# Altium PCB PCB.PcbDoc (part 1 of 10) (continued)
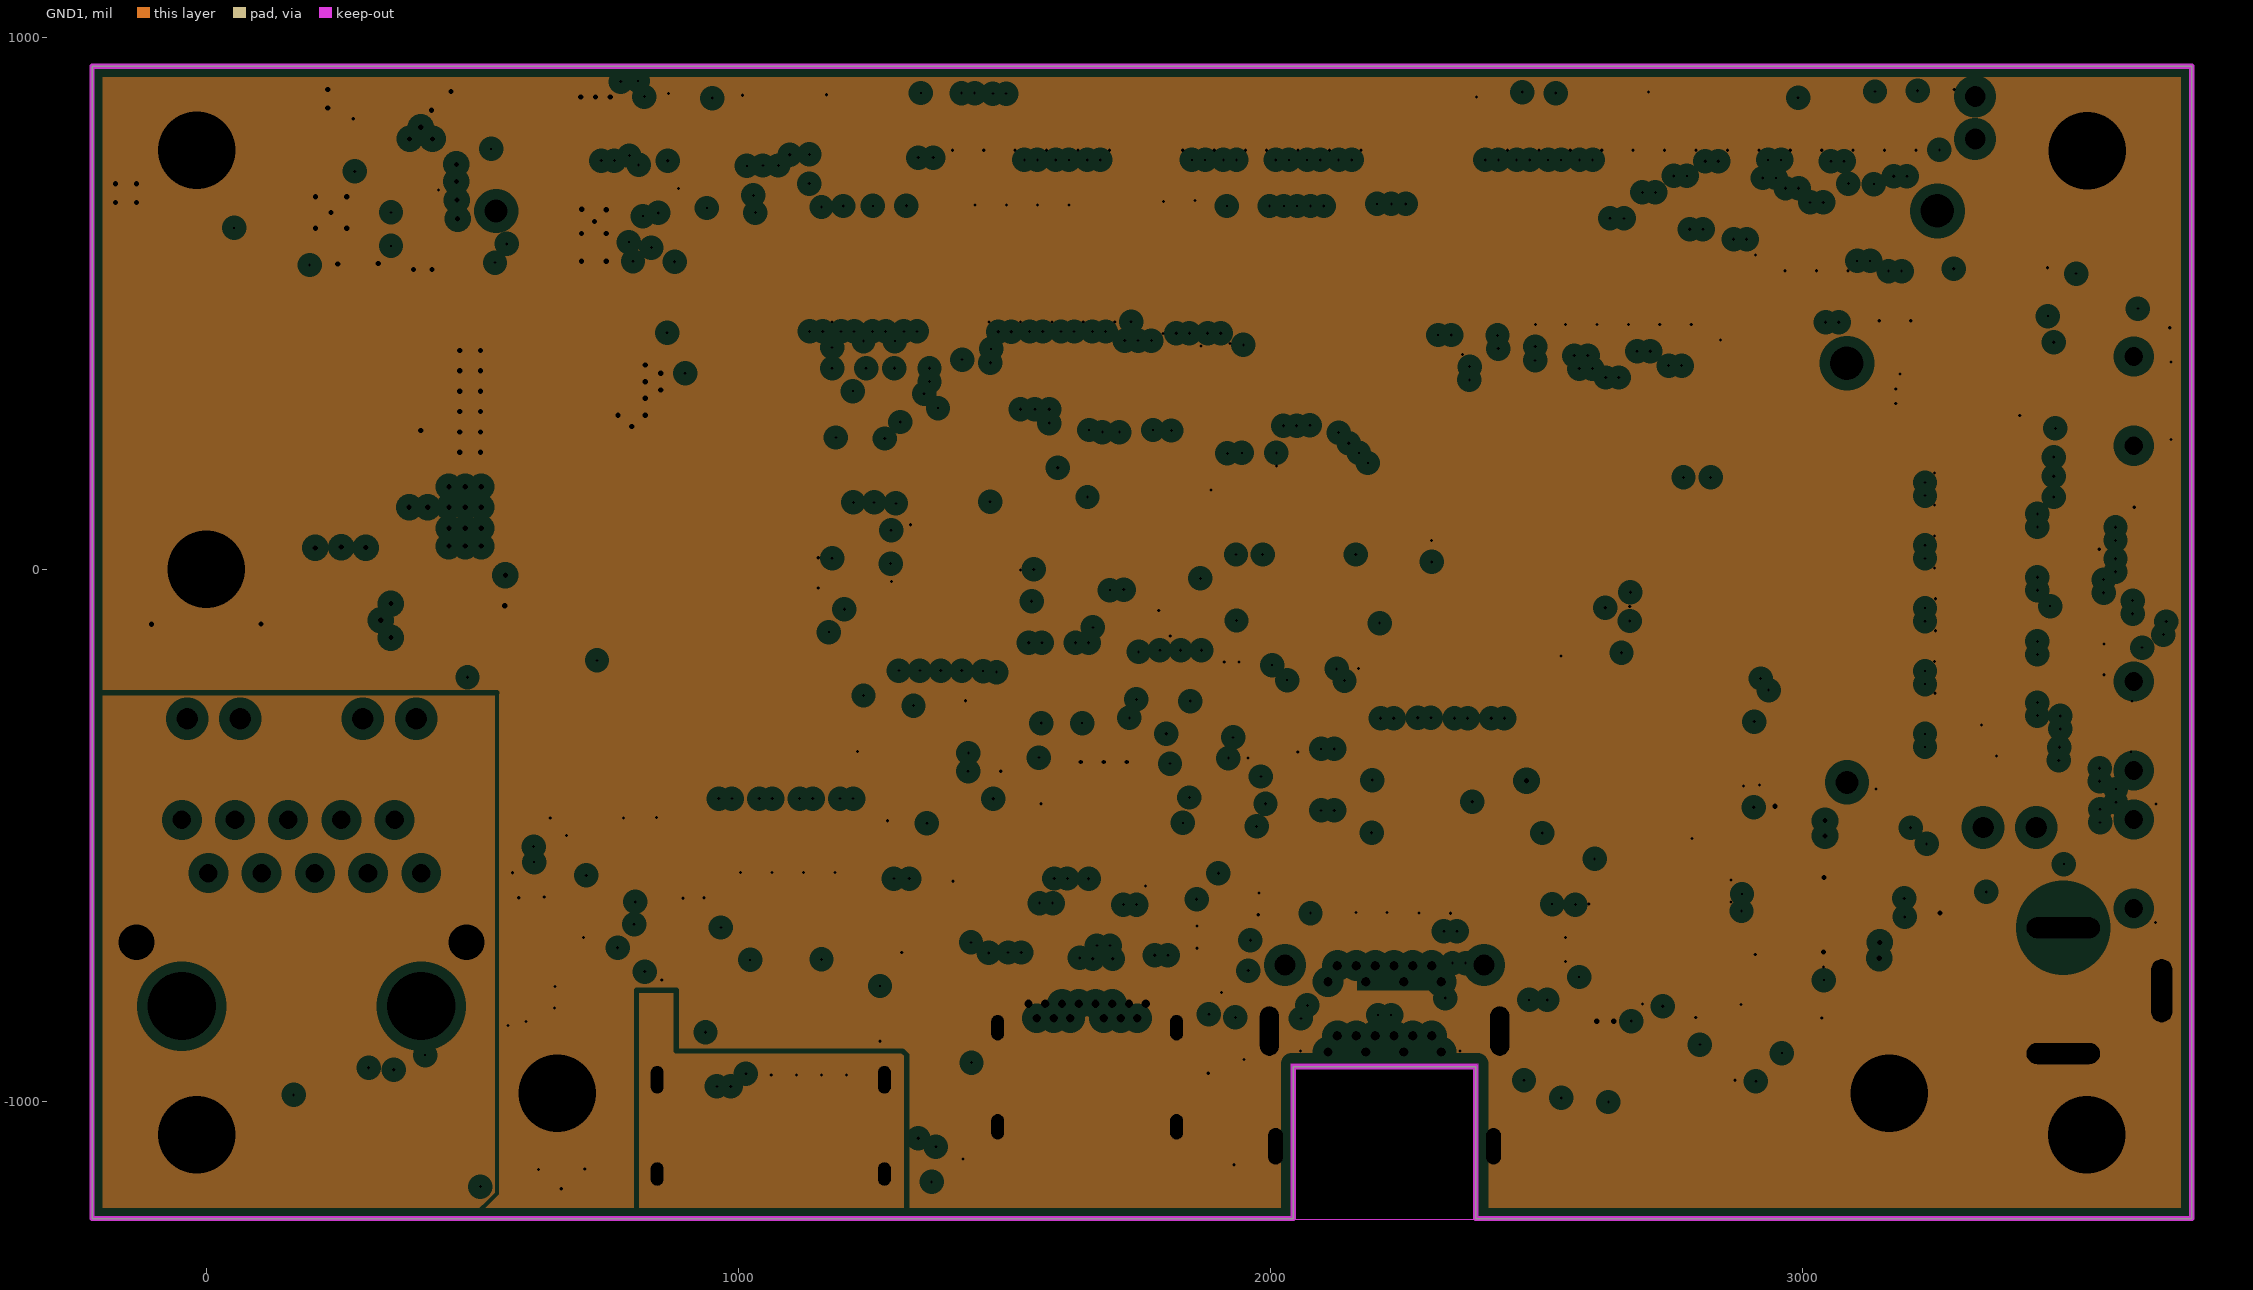
[diagram p5: GND1, clearances drawn from the general rule]
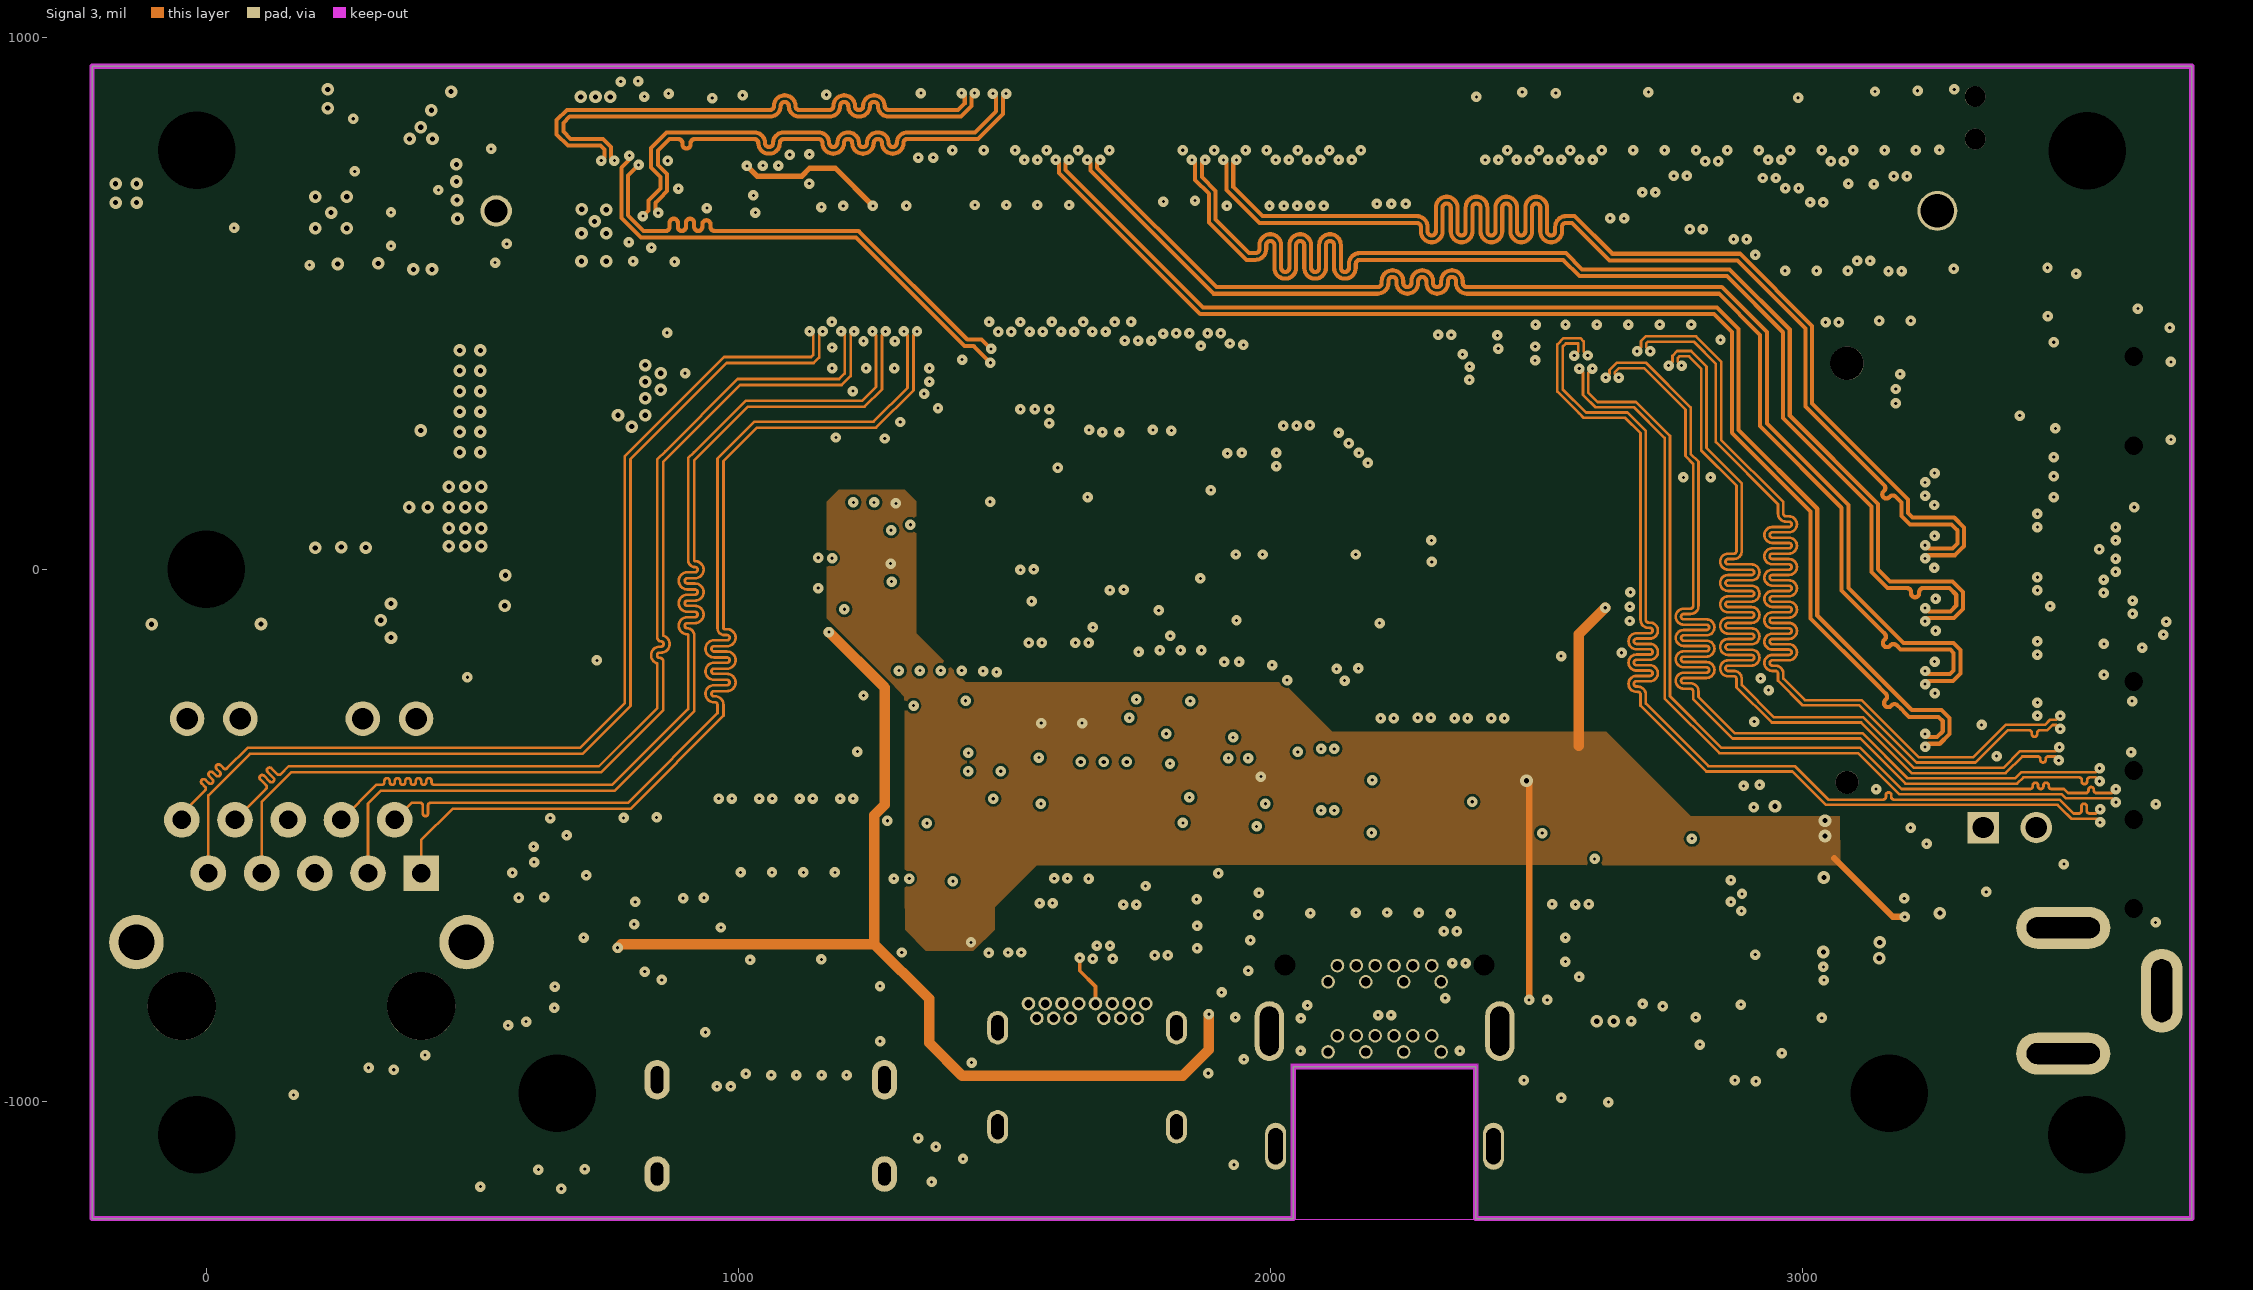
[diagram p6: Signal 3]
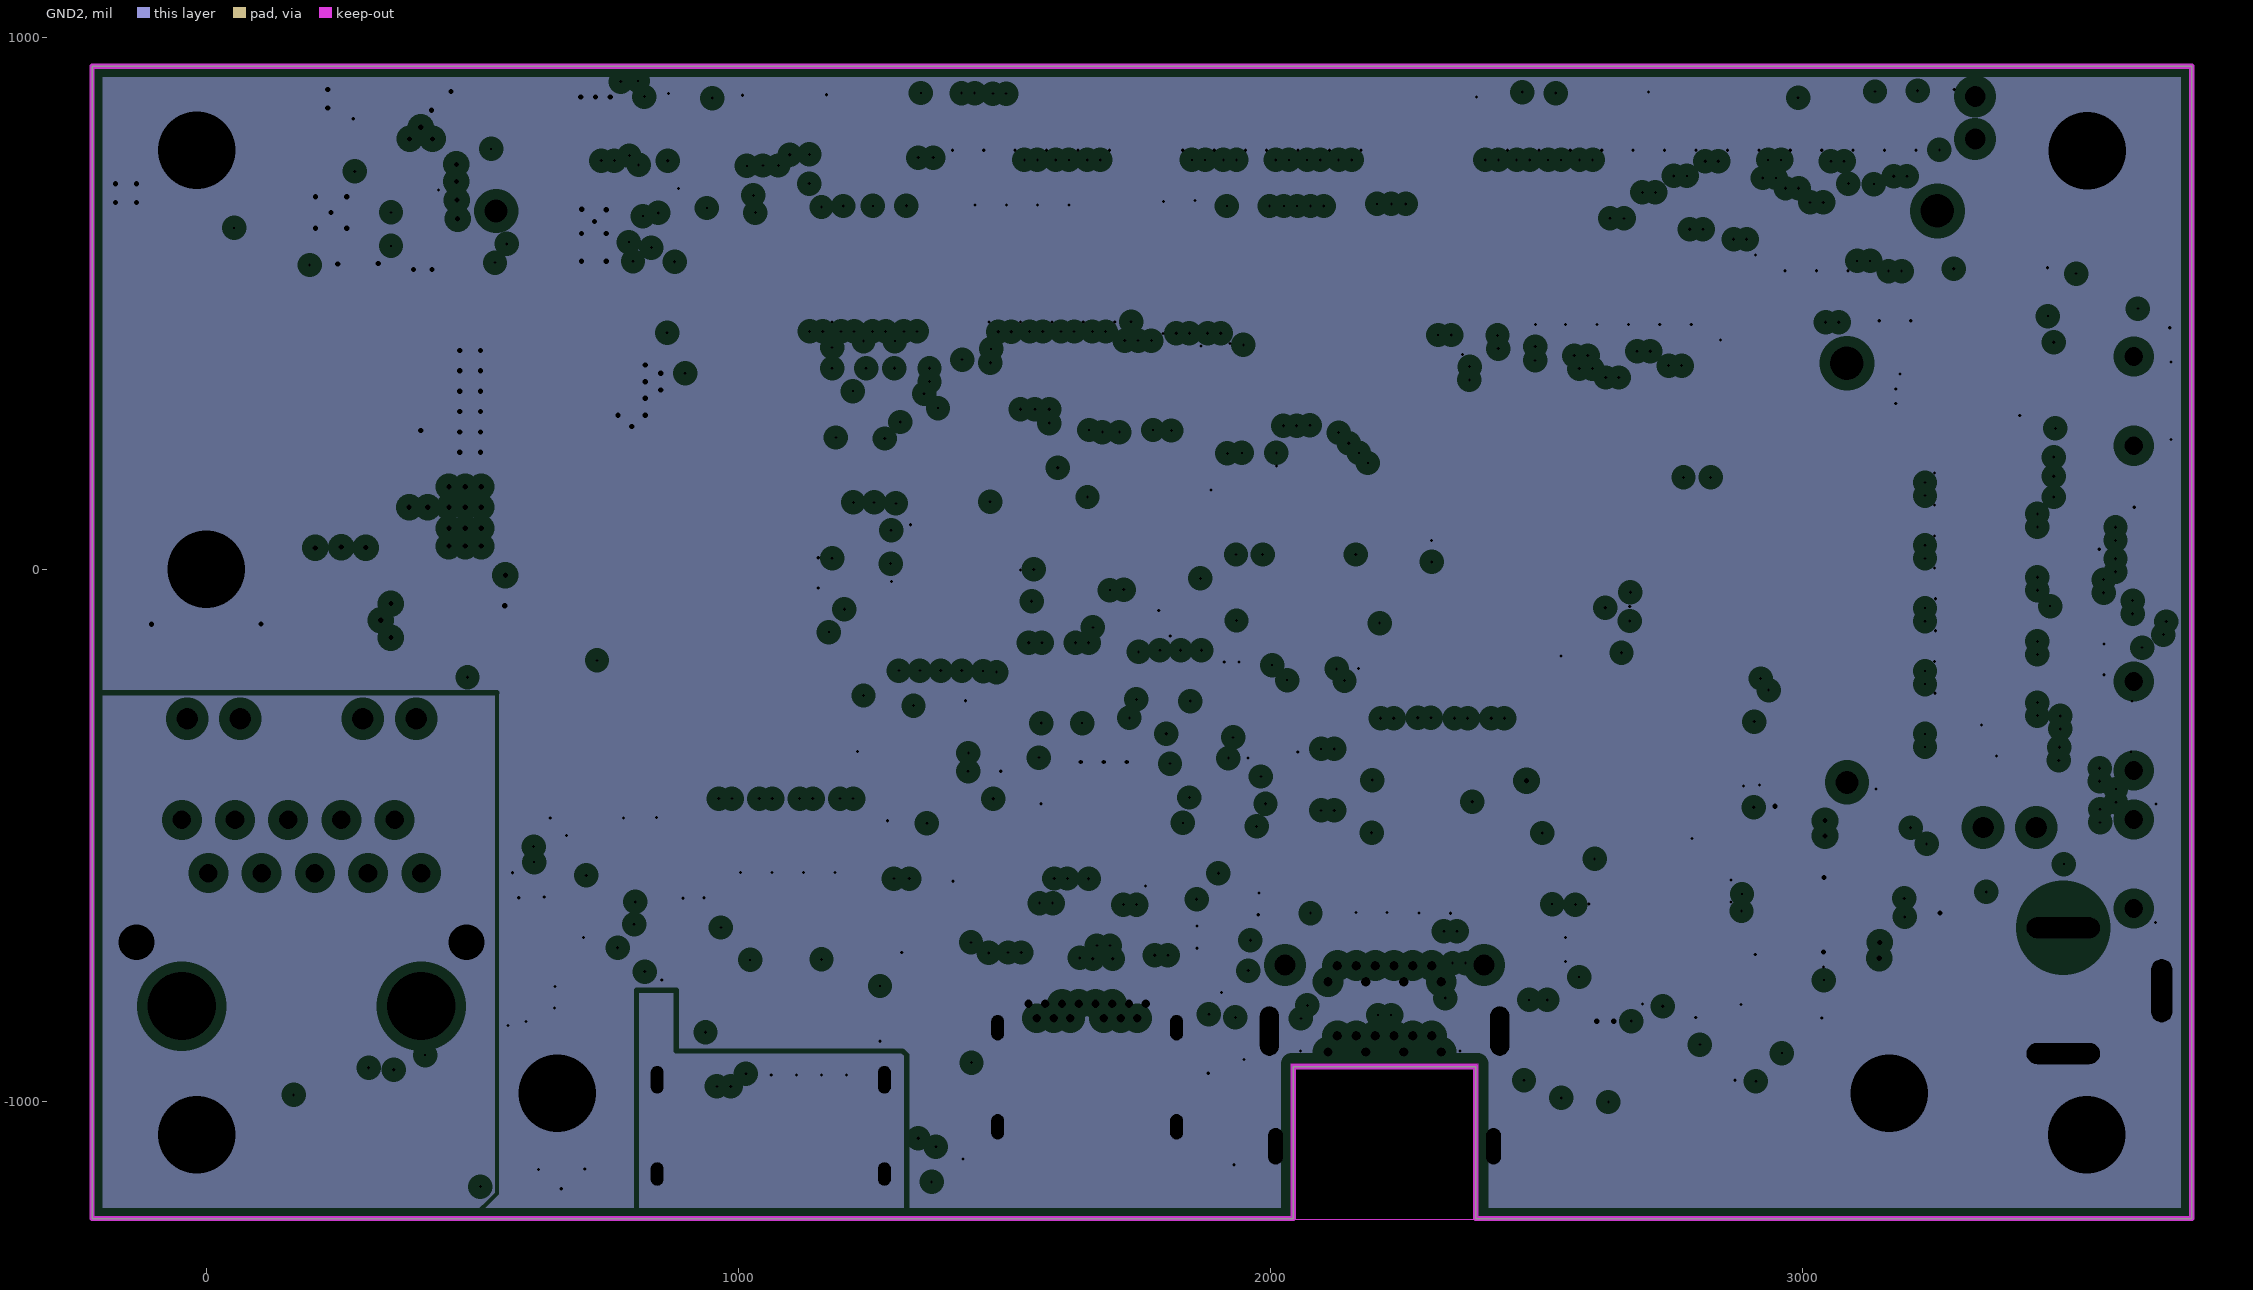
[diagram p7: GND2, clearances drawn from the general rule]
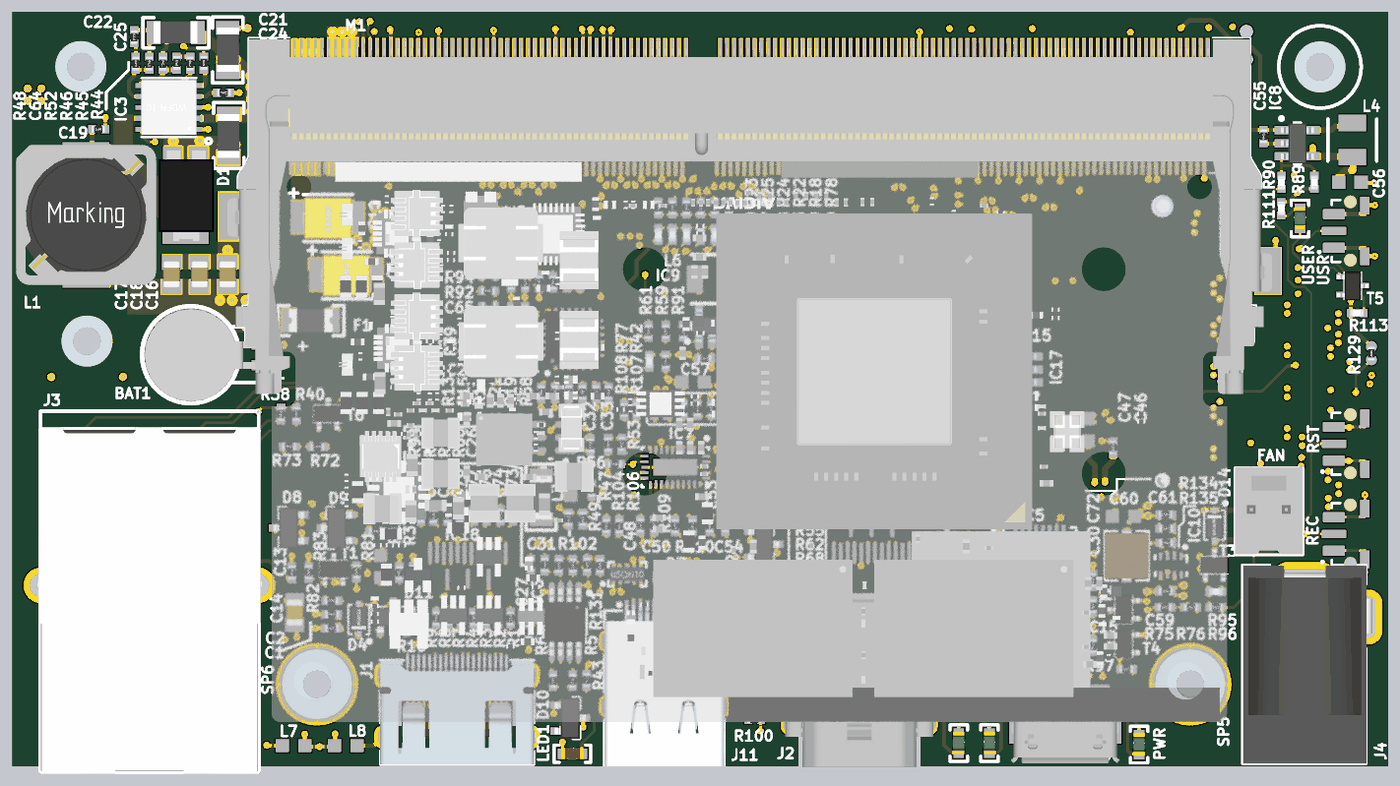
[diagram p17: 3D render of the assembled board from above, using the file's embedded part models]
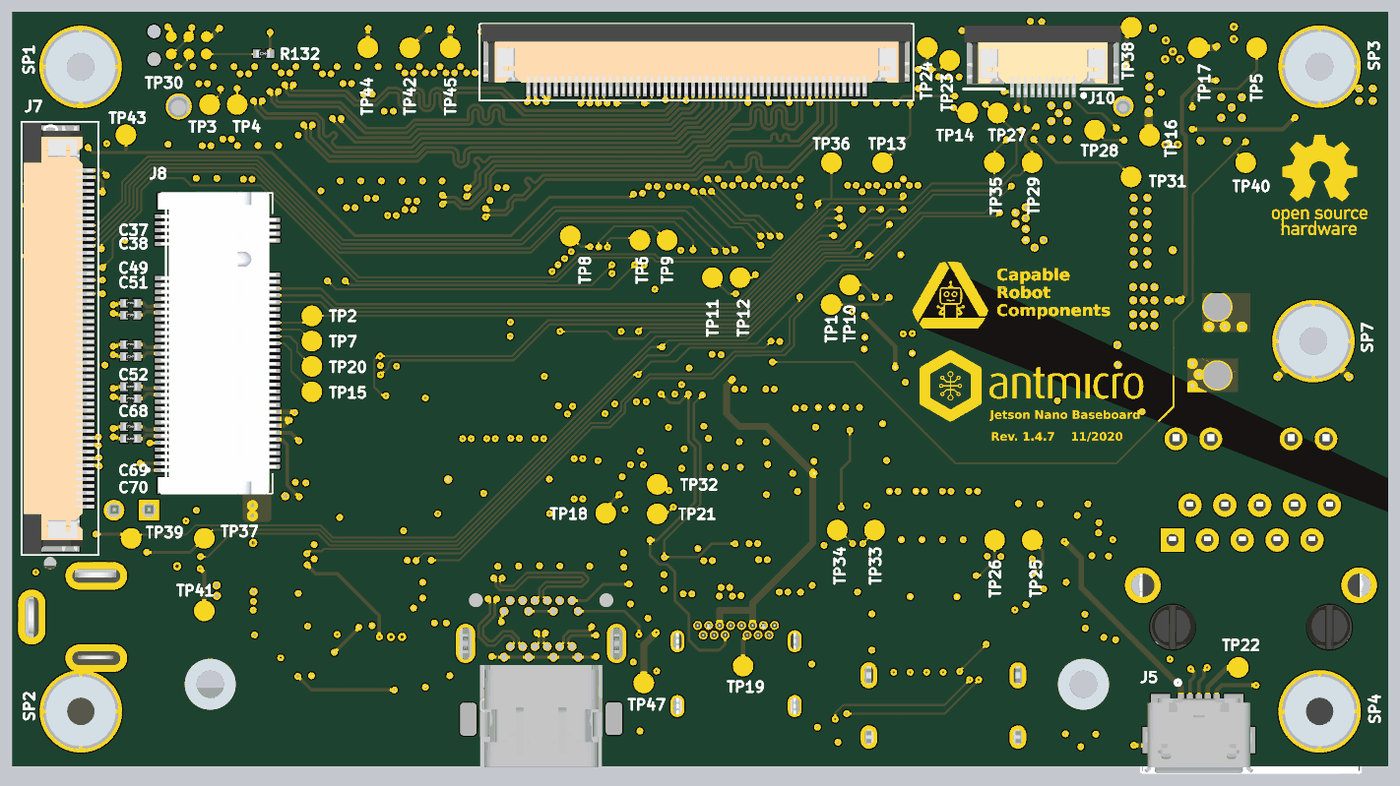
[diagram p18: 3D render of the assembled board from below, using the file's embedded part models]

## Layer stack, top to bottom
Top Solder: solder mask 0.4, Solder Resist, Dk 3.5
Component Side: signal copper 1.378
Dielectric 1: prepreg 7.4803, PR2116+PR1080, Dk 4.17
PWR: plane copper 1.378, net (Multiple Nets)
Dielectric 3: core 7.874, FR4, Dk 4.2
Signal 1: signal copper 1.378
Dielectric 6: prepreg 9.4488, PR2116, Dk 4.17
Signal 2: signal copper 1.378
Dielectric 5: core 7.874, FR4, Dk 4.2
GND1: plane copper 1.378, net (Multiple Nets)
Dielectric 4: prepreg 9.4488, PR2116, Dk 4.17
Signal 3: signal copper 1.378
Dielectric 7: prepreg 7.874, FR4, Dk 4.2
GND2: plane copper 1.378, net (Multiple Nets)
Dielectric 8: core 7.4803, PR2116+PR1080, Dk 4.17
Solder Side: signal copper 1.378
Bottom Solder: solder mask 0.4, Solder Resist, Dk 3.5

## Board outline
-214.56,-1220 -214.56,945.36 3731.33,945.36 3731.33,-1220 2385.58,-1220 2385.58,-934.57 2043.06,-934.57 2043.06,-1220

## Design rules (kind name [scope] priority, off if disabled: settings)
Clearance [All] p1: gap=4.92
DiffPairsRouting Z_100 [InNetClass('Z_100')] p1: maxlimit=6.3 minlimit=4.92 mostfreqgap=6.3 toplayer_maxgap=4.92 toplayer_prefgap=4.92 toplayer_minwidth=7.09 toplayer_maxwidth=7.09 toplayer_prefwidth=7.09 midlayer1_maxgap=4.92 midlayer1_prefgap=4.92 midlayer1_minwidth=4.92 midlayer1_maxwidth=4.92 midlayer1_prefwidth=4.92 midlayer2_maxgap=4.92 midlayer2_prefgap=4.92 midlayer2_minwidth=4.92 midlayer2_maxwidth=4.92 midlayer2_prefwidth=4.92 midlayer3_mingap=6.3 midlayer3_minwidth=4.92 midlayer3_maxwidth=4.92 midlayer3_prefwidth=4.92 bottomlayer_maxgap=4.92 bottomlayer_prefgap=4.92 bottomlayer_minwidth=7.09 bottomlayer_maxwidth=7.09 bottomlayer_prefwidth=7.09 maxuncoupledlength=500
DiffPairsRouting Z_95 [InNetClass('Z_95')] p2: maxlimit=4.92 minlimit=4.92 mostfreqgap=4.92 toplayer_minwidth=8.27 toplayer_maxwidth=8.27 toplayer_prefwidth=8.27 midlayer1_minwidth=5.43 midlayer1_maxwidth=5.43 midlayer1_prefwidth=5.43 midlayer2_minwidth=5.43 midlayer2_maxwidth=5.43 midlayer2_prefwidth=5.43 midlayer3_minwidth=5.04 midlayer3_maxwidth=5.04 midlayer3_prefwidth=5.04 bottomlayer_minwidth=8.27 bottomlayer_maxwidth=8.27 bottomlayer_prefwidth=8.27 maxuncoupledlength=500
DiffPairsRouting Z_90 [InNetClass('Z_90')] p3: maxlimit=4.92 minlimit=4.92 mostfreqgap=4.92 toplayer_minwidth=9.06 toplayer_maxwidth=9.06 toplayer_prefwidth=9.06 midlayer1_minwidth=6.3 midlayer1_maxwidth=6.3 midlayer1_prefwidth=6.3 midlayer2_minwidth=6.3 midlayer2_maxwidth=6.3 midlayer2_prefwidth=6.3 midlayer3_minwidth=6.89 midlayer3_maxwidth=6.89 midlayer3_prefwidth=6.89 bottomlayer_minwidth=9.06 bottomlayer_maxwidth=9.06 bottomlayer_prefwidth=9.06 maxuncoupledlength=500
DiffPairsRouting Z_85 [InNetClass('Z_85')] p4: maxlimit=4.92 minlimit=4.92 mostfreqgap=4.92 toplayer_minwidth=9.84 toplayer_maxwidth=9.84 toplayer_prefwidth=9.84 midlayer1_minwidth=7.28 midlayer1_maxwidth=7.28 midlayer1_prefwidth=7.28 midlayer2_minwidth=7.28 midlayer2_maxwidth=7.28 midlayer2_prefwidth=7.28 midlayer3_minwidth=7.68 midlayer3_maxwidth=7.68 midlayer3_prefwidth=7.68 bottomlayer_minwidth=9.84 bottomlayer_maxwidth=9.84 bottomlayer_prefwidth=9.84 maxuncoupledlength=500
HoleSize [All] p1: absolutevalues=TRUE maxlimit=150 minlimit=5.91 maxpercent=80.000 minpercent=20.000
MinimumAnnularRing [All] p1: minimumring=3.94
PlaneClearance [All] p1: clearance=20
PlaneConnect [All] p1: planeconnectstyle=Direct reliefexpansion=20 reliefentries=4 reliefconductorwidth=10 reliefairgap=10
PolygonConnect [All] p1: connectstyle=Direct reliefconductorwidth=10 reliefentries=4 polygonreliefangle="90 Angle" airgapwidth=10
RoutingVias Via_EC7D [All] p1: holewidth=5.91 width=19.68 viastyle="Through Hole" minholewidth=5.91 minwidth=19.68 maxholewidth=5.91 maxwidth=19.68
SolderMaskExpansion ViaTenting [isVia] p1: expansion=-19.68
SolderMaskExpansion [All] p2: expansion=4
Width Width_str [InNet('No Net')] p1: maxlimit=10 minlimit=0.2 preferedwidth=10 minimp=50.000000 maximp=50.000000 favimp=50.000000
Width [InNetClass('All Nets')] p2: maxlimit=118.11 minlimit=4.92 preferedwidth=10 toplayer_prefwidth=5.91 midlayer1_prefwidth=5.91 midlayer2_prefwidth=5.91 midlayer3_minwidth=10 bottomlayer_prefwidth=5.91 minimp=50.000000 maximp=50.000000 favimp=50.000000
25 further rules are at their usual default settings.

## Classes and differential pairs
component class ID-Serial: C36 D15 IC17 R119 R129 R132 TP30
net class Z_90: C_USBSS_RX1_N C_USBSS_RX1_P C_USBSS_RX2_N C_USBSS_RX2_P C_USBSS_RX6_N C_USBSS_RX6_P C_USBSS_TX1_N C_USBSS_TX1_P C_USBSS_TX2_N C_USBSS_TX2_P C_USBSS_TX6_N C_USBSS_TX6_P DBG_USB_D_N DBG_USB_D_P OTG_USB_D_N OTG_USB_D_P USB1_D_N USB1_D_P USB2_D_N USB2_D_P USBSS_RX1_N USBSS_RX1_P USBSS_RX2_N USBSS_RX2_P USBSS_RX6_N USBSS_RX6_P USBSS_TX1_N USBSS_TX1_P USBSS_TX2_N USBSS_TX2_P USBSS_TX6_N USBSS_TX6_P
component class csi: C9 IC1 J6 J7 R13 R15 R17 R18 R19 R21 R22 R23 R24 R25 R27 R28 R29 R33 R34 R35 R39 R57 R58 R59 R60 R61 R78 R79 R80 TP1 TP3 TP4 TP6 TP8 TP9 TP10 TP11 TP12
component class usb-debug: C15 C29 C30 C31 C32 C33 C34 C35 C48 C50 C53 C54 C62 C66 C67 C72 D3 D5 D6 D7 D8 D9 D17 IC5 IC7 IC15 IC16 J5 J9 J11 L2 L3 L7 LED1 Q1 R20 R41 R42 R43 R47 R49 R50 R51 R53 R54 R55 R56 R62 R63 R64 R65 R66 R67 R68 R69 R70 R71 R72 R73 R101 R102 R103 R104 R105 R106 R107 R108 R109 R110 R131 T6 TP18 TP19 TP21 TP22 TP32
component class display: C1 C2 C3 C4 C5 C6 C7 C8 C12 C26 C27 C39 C40 C42 C43 C44 C45 C73 C74 C75 C76 C77 C78 C79 C80 D2 D4 D10 D11 D12 IC2 IC6 IC11 IC18 J1 J2 L8 L9 L10 R1 R2 R3 R4 R5 R6 R7 R8 R9 R10 R11 R12 R26 R30 R31 R32 R37 R81 R82 R83 R88 R98 R99 R100 T1 TP2 TP13 TP14 TP25 TP26 TP33 TP34
component class interfaces: C13 C14 C37 C38 C46 C47 C49 C51 C52 C68 C69 C70 J3 J8 NVME R38 R40 R114 R115 R116 R128 SP7 TP7 TP15 TP20
component class SoM: BAT1 BOOT C10 C11 F1 J10 M1 M2 PWR R14 R97 R111 R112 R113 REC RST SP1 SP2 SP3 SP4 SP5 SP6 T2 T4 T5 TP23 TP24 TP27 TP28 TP29 TP31 TP35 TP36 TP37 TP38 TP39 USER USR
component class supply: C16 C17 C18 C19 C21 C22 C23 C24 C25 C28 C41 C55 C56 C57 C58 C59 C60 C61 C63 C64 C65 C71 D1 D13 D14 FAN IC3 IC4 IC8 IC9 IC10 IC12 IC13 J4 L1 L4 L5 L6 R16 R36 R44 R45 R46 R48 R52 R75 R76 R77 R84 R85 R86 R87 R89 R90 R91 R92 R93 R94 R95 R96 R130 R134 R135 T3 TP5 TP16 TP17 TP40 TP41 TP42 TP43 TP44 TP45 TP47
net class Z_95: CSI_A_CLK_N CSI_A_CLK_P CSI_A_D0_N CSI_A_D0_P CSI_A_D1_N CSI_A_D1_P CSI_B_D0_N CSI_B_D0_P CSI_B_D1_N CSI_B_D1_P CSI_C_CLK_N CSI_C_CLK_P CSI_C_D0_N CSI_C_D0_P CSI_C_D1_N CSI_C_D1_P CSI_D_D0_N CSI_D_D0_P CSI_D_D1_N CSI_D_D1_P CSI_E_CLK_N CSI_E_CLK_P CSI_E_D0_N CSI_E_D0_P CSI_E_D1_N CSI_E_D1_P CSI_F_CLK_N CSI_F_CLK_P CSI_F_D0_N CSI_F_D0_P CSI_F_D1_N CSI_F_D1_P CSI_G_CLK_N CSI_G_CLK_P CSI_G_D0_N CSI_G_D0_P CSI_G_D1_N CSI_G_D1_P
net class Z_100: EDP0_TX_N EDP0_TX_P EDP1_TX_N EDP1_TX_P EDP2_TX_N EDP2_TX_P EDP3_TX_N EDP3_TX_P EDP_AUX_C_N EDP_AUX_C_P EDP_AUX_N EDP_AUX_P ENET_TRD0_N ENET_TRD0_P ENET_TRD1_N ENET_TRD1_P ENET_TRD2_N ENET_TRD2_P ENET_TRD3_N ENET_TRD3_P ML_C_LANE0_N ML_C_LANE0_P ML_C_LANE1_N ML_C_LANE1_P ML_C_LANE2_N ML_C_LANE2_P ML_C_LANE3_N ML_C_LANE3_P TMDS_C1_CLK_N TMDS_C1_CLK_P TMDS_C1_D0_N TMDS_C1_D0_P TMDS_C1_D1_N TMDS_C1_D1_P TMDS_C1_D2_N TMDS_C1_D2_P TMDS_CLK_C_N TMDS_CLK_C_P TMDS_CLK_N TMDS_CLK_P TMDS_D0_C_N TMDS_D0_C_P TMDS_D0_N TMDS_D0_P TMDS_D1_C_N TMDS_D1_C_P TMDS_D1_N TMDS_D1_P TMDS_D2_C_N TMDS_D2_C_P TMDS_D2_N TMDS_D2_P
net class Z_85: C_PCIE0_RX2_N C_PCIE0_RX2_P C_PCIE0_TX0_N C_PCIE0_TX0_P C_PCIE0_TX1_N C_PCIE0_TX1_P C_PCIE0_TX2_N C_PCIE0_TX2_P C_PCIE0_TX3_N C_PCIE0_TX3_P PCIE0_CLK_N PCIE0_CLK_P PCIE0_RX0_N PCIE0_RX0_P PCIE0_RX1_N PCIE0_RX1_P PCIE0_RX3_N PCIE0_RX3_P PCIE0_TX0_N PCIE0_TX0_P PCIE0_TX1_N PCIE0_TX1_P PCIE0_TX2_N PCIE0_TX2_P PCIE0_TX3_N PCIE0_TX3_P PCIE1_CLK_N PCIE1_CLK_P PCIE1_RX0_N PCIE1_RX0_P PCIE1_TX0_N PCIE1_TX0_P
differential pair TMDS_C1_D2: +TMDS_C1_D2_P -TMDS_C1_D2_N
differential pair TMDS_C1_D1: +TMDS_C1_D1_P -TMDS_C1_D1_N
differential pair TMDS_C1_D0: +TMDS_C1_D0_P -TMDS_C1_D0_N
differential pair TMDS_C1_CLK: +TMDS_C1_CLK_P -TMDS_C1_CLK_N
differential pair OTG_USB_D: +OTG_USB_D_P -OTG_USB_D_N
differential pair ML_C_LANE3: +ML_C_LANE3_P -ML_C_LANE3_N
differential pair ML_C_LANE2: +ML_C_LANE2_P -ML_C_LANE2_N
differential pair ML_C_LANE1: +ML_C_LANE1_P -ML_C_LANE1_N
differential pair ML_C_LANE0: +ML_C_LANE0_P -ML_C_LANE0_N
differential pair EDP_AUX_C: +EDP_AUX_C_P -EDP_AUX_C_N
differential pair USBSS_TX6: +USBSS_TX6_P -USBSS_TX6_N
differential pair USBSS_TX2: +USBSS_TX2_P -USBSS_TX2_N
differential pair USBSS_TX1: +USBSS_TX1_P -USBSS_TX1_N
differential pair USBSS_RX6: +USBSS_RX6_P -USBSS_RX6_N
differential pair USBSS_RX2: +USBSS_RX2_P -USBSS_RX2_N
differential pair USBSS_RX1: +USBSS_RX1_P -USBSS_RX1_N
differential pair ENET_TRD3: +ENET_TRD3_P -ENET_TRD3_N
differential pair DBG_USB_D: +DBG_USB_D_P -DBG_USB_D_N
differential pair C_USBSS_TX6: +C_USBSS_TX6_P -C_USBSS_TX6_N
differential pair C_USBSS_TX2: +C_USBSS_TX2_P -C_USBSS_TX2_N
differential pair C_USBSS_TX1: +C_USBSS_TX1_P -C_USBSS_TX1_N
differential pair C_USBSS_RX6: +C_USBSS_RX6_P -C_USBSS_RX6_N
differential pair C_USBSS_RX2: +C_USBSS_RX2_P -C_USBSS_RX2_N
differential pair C_USBSS_RX1: +C_USBSS_RX1_P -C_USBSS_RX1_N
differential pair EDP_AUX: +EDP_AUX_P -EDP_AUX_N
differential pair TMDS_CLK_C: +TMDS_CLK_C_P -TMDS_CLK_C_N
differential pair TMDS_CLK: +TMDS_CLK_P -TMDS_CLK_N
differential pair TMDS_D0_C: +TMDS_D0_C_P -TMDS_D0_C_N
differential pair TMDS_D0: +TMDS_D0_P -TMDS_D0_N
differential pair TMDS_D1_C: +TMDS_D1_C_P -TMDS_D1_C_N
differential pair TMDS_D1: +TMDS_D1_P -TMDS_D1_N
differential pair TMDS_D2_C: +TMDS_D2_C_P -TMDS_D2_C_N
differential pair TMDS_D2: +TMDS_D2_P -TMDS_D2_N
differential pair CSI_A_CLK: +CSI_A_CLK_P -CSI_A_CLK_N
differential pair CSI_A_D0: +CSI_A_D0_P -CSI_A_D0_N
differential pair CSI_A_D1: +CSI_A_D1_P -CSI_A_D1_N
differential pair CSI_B_D0: +CSI_B_D0_P -CSI_B_D0_N
differential pair CSI_B_D1: +CSI_B_D1_P -CSI_B_D1_N
differential pair CSI_C_CLK: +CSI_C_CLK_P -CSI_C_CLK_N
differential pair CSI_C_D0: +CSI_C_D0_P -CSI_C_D0_N
differential pair CSI_C_D1: +CSI_C_D1_P -CSI_C_D1_N
differential pair CSI_D_D0: +CSI_D_D0_P -CSI_D_D0_N
differential pair CSI_D_D1: +CSI_D_D1_P -CSI_D_D1_N
differential pair CSI_E_CLK: +CSI_E_CLK_P -CSI_E_CLK_N
differential pair CSI_E_D0: +CSI_E_D0_P -CSI_E_D0_N
differential pair CSI_E_D1: +CSI_E_D1_P -CSI_E_D1_N
differential pair CSI_F_CLK: +CSI_F_CLK_P -CSI_F_CLK_N
differential pair CSI_F_D0: +CSI_F_D0_P -CSI_F_D0_N
differential pair CSI_F_D1: +CSI_F_D1_P -CSI_F_D1_N
differential pair EDP0_TX: +EDP0_TX_P -EDP0_TX_N
differential pair EDP1_TX: +EDP1_TX_P -EDP1_TX_N
differential pair EDP2_TX: +EDP2_TX_P -EDP2_TX_N
differential pair EDP3_TX: +EDP3_TX_P -EDP3_TX_N
differential pair ENET_TRD0: +ENET_TRD0_P -ENET_TRD0_N
differential pair ENET_TRD1: +ENET_TRD1_P -ENET_TRD1_N
differential pair ENET_TRD2: +ENET_TRD2_P -ENET_TRD2_N
differential pair USB1_D: +USB1_D_P -USB1_D_N
differential pair USB2_D: +USB2_D_P -USB2_D_N
differential pair C_PCIE0_RX2: +C_PCIE0_RX2_P -C_PCIE0_RX2_N
differential pair C_PCIE0_TX0: +C_PCIE0_TX0_P -C_PCIE0_TX0_N
differential pair C_PCIE0_TX1: +C_PCIE0_TX1_P -C_PCIE0_TX1_N
differential pair C_PCIE0_TX2: +C_PCIE0_TX2_P -C_PCIE0_TX2_N
differential pair C_PCIE0_TX3: +C_PCIE0_TX3_P -C_PCIE0_TX3_N
differential pair PCIE0_CLK: +PCIE0_CLK_P -PCIE0_CLK_N
differential pair PCIE0_RX0: +PCIE0_RX0_P -PCIE0_RX0_N
differential pair PCIE0_RX1: +PCIE0_RX1_P -PCIE0_RX1_N
differential pair PCIE0_RX3: +PCIE0_RX3_P -PCIE0_RX3_N
differential pair PCIE0_TX0: +PCIE0_TX0_P -PCIE0_TX0_N
differential pair PCIE0_TX1: +PCIE0_TX1_P -PCIE0_TX1_N
differential pair PCIE0_TX2: +PCIE0_TX2_P -PCIE0_TX2_N
differential pair PCIE0_TX3: +PCIE0_TX3_P -PCIE0_TX3_N
differential pair CSI_G_CLK: +CSI_G_CLK_P -CSI_G_CLK_N
differential pair CSI_G_D0: +CSI_G_D0_P -CSI_G_D0_N
differential pair CSI_G_D1: +CSI_G_D1_P -CSI_G_D1_N
differential pair PCIE1_CLK: +PCIE1_CLK_P -PCIE1_CLK_N
differential pair PCIE1_RX0: +PCIE1_RX0_P -PCIE1_RX0_N
differential pair PCIE1_TX0: +PCIE1_TX0_P -PCIE1_TX0_N

## Components (designator, comment, footprint, x,y, rotation, side; value= is the part's Value field where it differs from the comment)
BAT1 "MS621FE-FL11E" MS621FE-FL11E 507.33,-39 r180 top